# Altium PCB Main.PcbDoc (part 2 of 2)
Units mil, origin at the board's own origin, x right, y up, seen from the top; angles counter-clockwise.
Board outline 2175 x 1925 mil, 2 copper layers (Top Layer, Bottom Layer); 102 components, 68 nets, 356 pads, 164 vias.
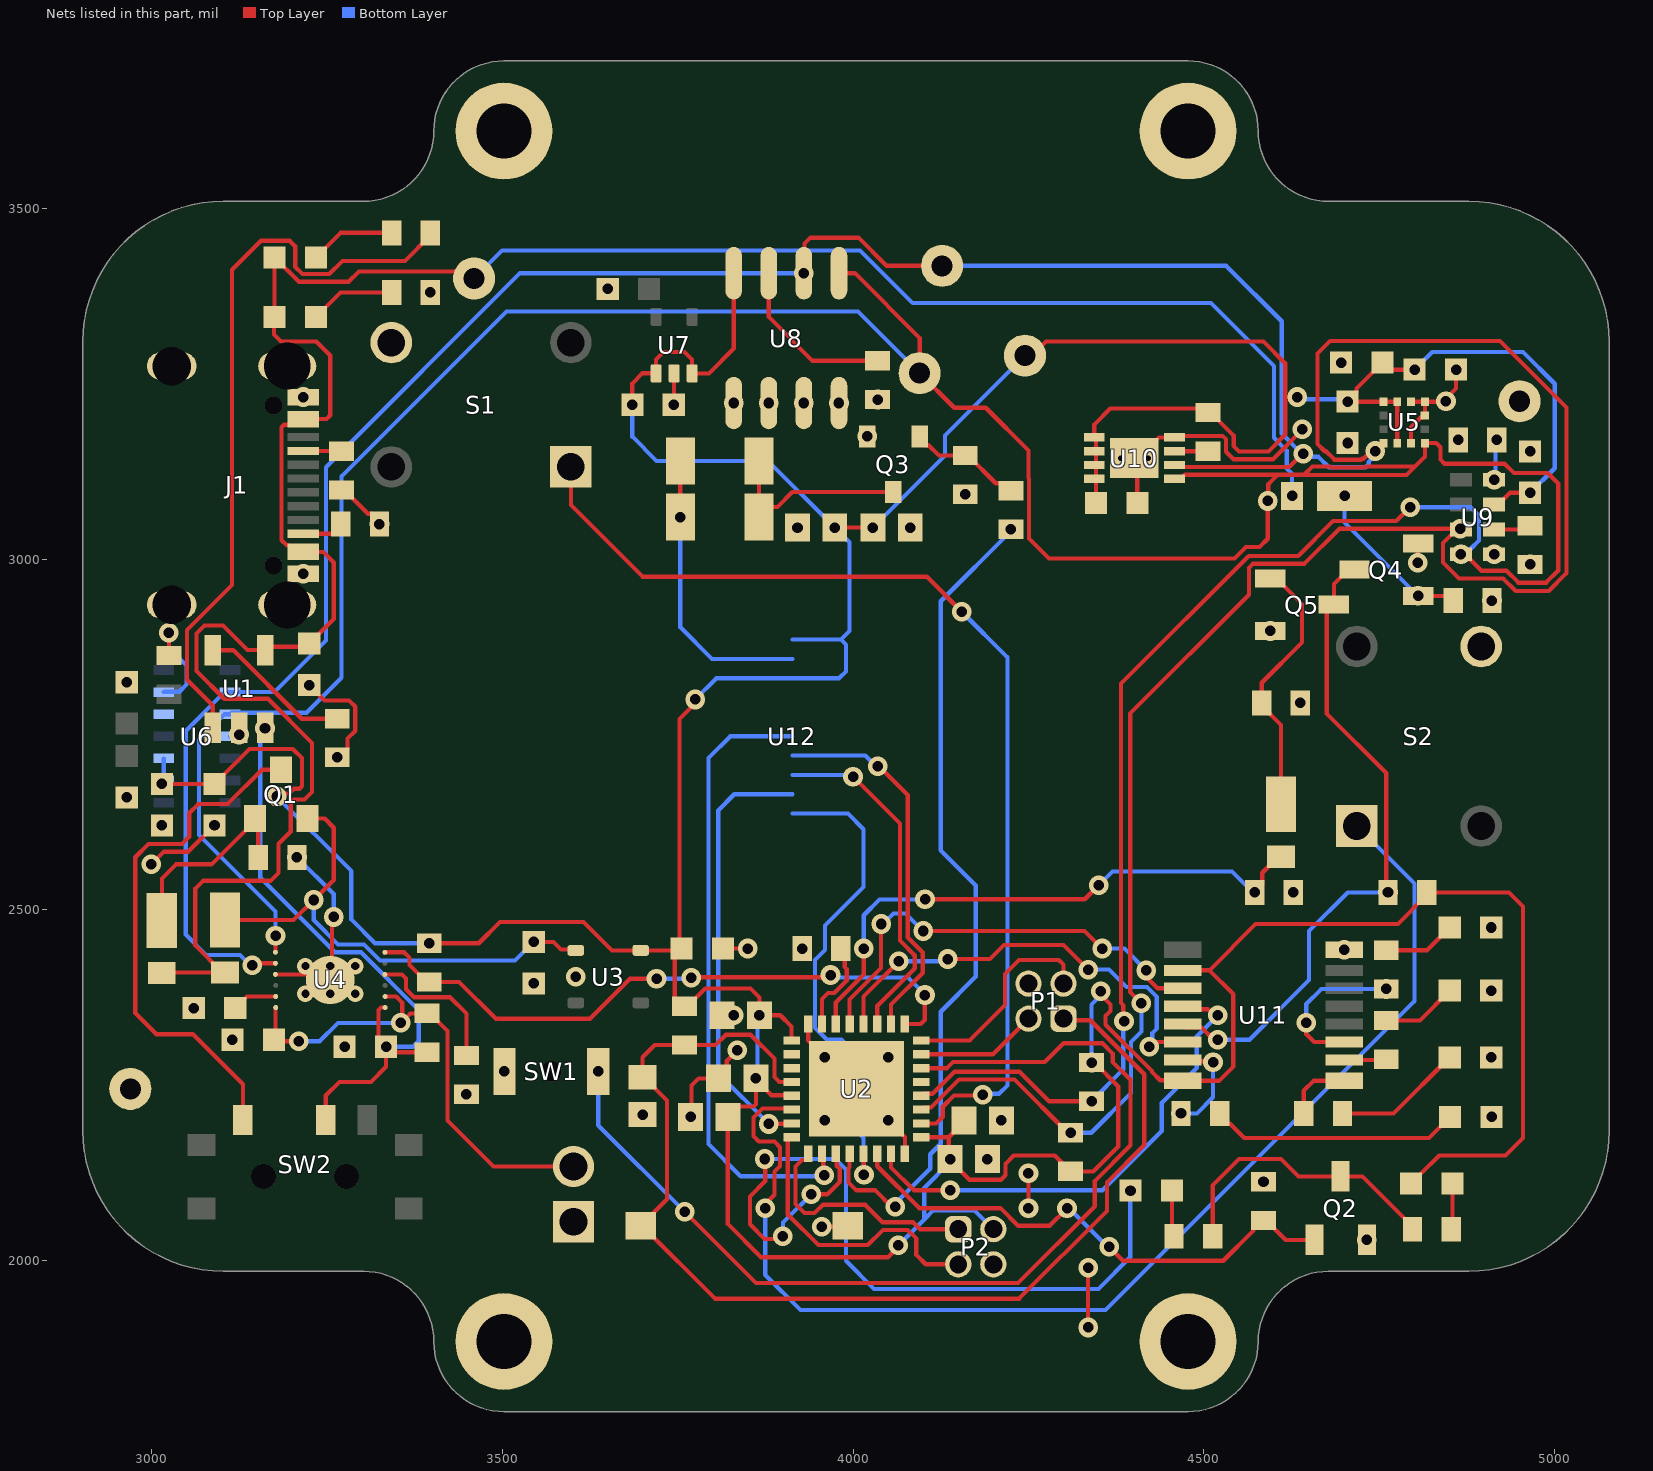
[diagram p2: the nets of this part, all layers, seen from the top]

## Via types
v1: diameter 28, hole 15, Top Layer to Bottom Layer, tented both sides, 156 vias
v2: diameter 23.62, hole 11.81, Top Layer to Bottom Layer, 6 vias
v3: diameter 19.68, hole 7.87, Top Layer to Bottom Layer, 2 vias

## Nets (pads, with @x,y where several pads share a name; then routed paths per layer and width w, separated by ;. In a path a pad name is that pad's centre, name@x,y a point inside that pad or via, vN(x,y) a via of type N, cw(c..) or ccw(c..) an arc to the next point about the centre after c; other vN are vias at no path point) (continued)
3V3: C3.1 C4.1 C5.1 C6.1 C7.1 C11.2 C15.1 C16.1 C17.1 C18.1 C19.1 C20.2 C22.1 C23.1 C24.1 C25.1 D6.2 P2.2 R6.2 R8.2 R9.1 R10.1 R18.2 R30.1 TP6.1 U2.1 U2.5 U2.17 U3.5 U5.2 U5.9 U5.10 U6.9 U6.10 U7.1 U7.3 U8.8 U9.7 U10.5 U10.6 U10.7 U10.8 U11.10 U11.16 U12.10 U12.12 | length 8226.8
  Top Layer w6: v1(3015,2679.53) C18.1@3090,2679.53 3139.97,2729.49 3201.58,2729.49 3214.65,2716.43 3214.65,2676.22 3211.13,2672.71 3203.16,2672.71 3196.36,2665.91 3182.79,2665.91 v1(3178.59,2661.71) ; v1(3396,2452.56) 3466.64,2452.56 3497.08,2483 3615.88,2483 3656.48,2442.4 U3.5@3697.4,2442.4 C11.2@3752.87,2442.4 ; v1(3685.47,3220) 3685.47,3250.47 3700,3265 3719.06,3265 U7.1@3719.41,3264.65 3719.41,3284.41 3730,3295 3760,3295 3770.59,3284.41 U7.3@3770.59,3264.65 3794.65,3264.65 3830,3300 U8.8@3830,3407.52 ; v1(3775,2800) 3775,2794.05 3752.87,2771.92 C11.2@3752.87,2442.4 ; v1(3861.57,2260) C7.1@3861.57,2258.03 ; U2.5@3912.48,2235.16 3911.64,2236 3883.61,2236 C7.1@3861.57,2258.03 ; U2.1@3912.48,2313.9 3912.48,2333.81 3896.29,2350 v1(3866.57,2350) 3866.57,2375.28 3853.85,2388 3789.38,2388 3763.94,2362.56 R6.2@3760,2362.56 3756.78,2362.56 3746,2373.34 3746,2435.53 C11.2@3752.87,2442.4 ; v1(3974.02,3045) v1(4028.43,3045) ; v1(4064.51,2022) 4064.51,2019.51 4050,2005 3869,2005 3821.57,2052.43 C6.1@3821.57,2205 3836.29,2219.73 3858.06,2219.73 3861.57,2223.24 C7.1@3861.57,2258.03 ; U2.17@4097.52,2176.1 4136.5,2176.1 ; C5.1@4138.43,2143.03 4165.98,2115.48 4210.77,2115.48 4217.29,2122 4217.29,2138.17 4229.12,2150 4287.44,2150 R9.1@4310,2127.44 4342.44,2127.44 4378,2163 4378,2248.5 4343.94,2282.56 v1(4340,2282.56) ; v1(4138.43,2145) 4136.5,2146.93 4136.5,2176.1 ; C4.1@4158.43,2200 4158.43,2198.03 4136.5,2176.1 ; TP6.1@4250,3284.82 4275.18,3310 4585,3310 4616,3279 4616,3231 ; C23.1@4346.16,3079 4346.16,3114.47 4346.16,3134.16 4346.16,3153.84 4346.16,3171.28 U10.5@4343.91,3173.53 4343.91,3191.91 4366.56,3214.56 R18.2@4510.94,3214.56 ; v1(4353,2384) 4353,2379.39 4366.96,2365.43 4366.96,2356.04 4360,2349.08 4360,2336.48 4426,2270.48 4426,2269 4437.78,2257.22 4469.12,2257.22 U11.16@4469.84,2256.5 4521.5,2256.5 4542,2277 4542,2379.78 4507.8,2413.98 ; U11.10@4469.84,2413.98 4507.8,2413.98 ; R18.2@4505.74,3208.95 4509.68,3208.95 4542.45,3176.17 4542.45,3161.16 4550.27,3153.34 4591.94,3153.34 4616,3177.4 4616,3231 ; v1(4633,3231) 4616,3231 ; U5.2@4775.65,3165.34 U5.9@4775.65,3224.34 U5.10@4755.97,3224.34 4705.18,3224.34 v1(4705,3224.53) 4717.75,3237.28 4717.75,3243.22 C16.1@4754.53,3280 4764.53,3270 v1(4800.47,3270) ; D6.2@4795.47,2110 4808.22,2122.75 4835.47,2150 4929.74,2150 4955,2175.26 4955,2505 4935,2525 R30.1@4817.56,2525 4817.56,2521.06 4776.5,2480 4573.83,2480 4507.8,2413.98 ; U9.7@4913.62,3077.72 4919.53,3077.72 4936.34,3094.53 v1(4965,3094.53)
  Bottom Layer w6: U6.9@3017.76,2682.28 U6.9@3017.76,2684.51 U6.10@3017.76,2716 ; v1(3178.59,2661.71) 3285,2555.29 3285,2486.37 3318.81,2452.56 v1(3396,2452.56) ; v1(3685.47,3220) 3685.47,3174.53 3720,3140 3879.02,3140 v1(3974.02,3045) 3995,3024.02 3995,2897.53 3982.76,2885.3 ; v1(3775,2800) 3805.18,2830.18 U12.10@3913.62,2830.18 3980.18,2830.18 3990,2840 3990,2878.06 3982.76,2885.3 ; v1(3861.57,2260) 3864.07,2262.5 3864.07,2347.5 v1(3866.57,2350) ; U12.12@3913.62,2885.3 3982.76,2885.3 ; v1(4028.43,3045) 4130.98,3147.56 4130.98,3175.98 TP6.1@4245,3290 TP6.1@4261.12,3306.12 ; v1(4064.51,2022) 4101.47,2058.96 ; v1(4138.43,2145) 4138.43,2140.87 4101.47,2103.91 4101.47,2058.96 ; P2.2@4200,2045 4173.3,2071.7 4114.22,2071.7 4101.47,2058.96 ; v1(4340,2282.56) 4340,2365.05 4353,2378.05 v1(4353,2384) ; v1(4633,3231) 4636.24,3227.76 4701.76,3227.76 v1(4705,3224.53) ; v1(4800.47,3270) 4825.47,3295 4955,3295 5000,3250 5000,3129.53 v1(4965,3094.53)
ALERT: R18.1 U10.3 | length 51.2
  Top Layer w6: U10.3@4458.09,3153.84 R18.1@4501.4,3153.84 ; R18.1@4500.14,3154.01 R18.1@4505.74,3159.61
BIN: R12.2 U4.10 | length 208.1
  Top Layer w6: U4.10@3332.76,2408.19 3357.1,2408.19 3362.82,2402.47 3362.82,2386.98 3374.14,2375.66 3425.51,2375.66 3449,2352.17 R12.2@3449,2292.56
BKL_COL: Q3.3 R26.1 R28.1 | length 286.2
  Top Layer w6: R26.1@3866.1,3140 3866.1,3072.8 R28.1@3866.1,3060 3880.47,3074.37 3892.26,3074.37 3913.36,3095.47 Q3.3@4057.6,3095.47
BKL_GATE: Q3.1 R27.2 R29.2 | length 164.4
  Top Layer w6: Q3.1@4095,3175 4095,3171.06 4103.81,3162.25 4107.75,3162.25 4122.44,3147.56 4163.94,3147.56 4203.36,3108.14 4214.42,3108.14 R29.2@4225,3097.56
BOOT: R11.2 U2.31 | length 130.7
  Top Layer w6: U2.31@3955.79,2337.52 3955.79,2372.85 3964.52,2381.58 3973.34,2381.58 3990.93,2399.17 3990.93,2415.97 3988.2,2418.69 3988.2,2439.36 R11.2@3982.56,2445
EVI: R21.2 U9.8 | length 58.5
  Bottom Layer w6: v1(4913.62,3113.15) 4915.59,3115.12 4915.59,3168.03 v1(4917.56,3170)
GND: C1.1 C2.1 C3.2 C4.2 C5.2 C6.2 C7.2 C8.2 C9.2 C10.1 C11.1 C12.1 C13.2 C14.2 C15.2 C16.2 C17.2 C18.2 C19.2 C20.1 C21.1 C22.2 C23.2 C24.2 C25.2 D7.1 D8.1 D9.1 D10.1 J1.1 J1.2 J1.3 J1.4 J1.A1-B12 J1.B1-A12 J2.1 P1.4 P2.4 pad.7 Q2.2 Q3.2 Q4.2 Q5.2 R1.1 R2.2 R3.2 R5.1 R11.1 R12.1 R13.1 R16.1 R19.1 R20.1 R21.1 R27.1 R31.2 R32.1 R33.1 S1.4 S2.4 S3.1 SW1.1 TP1.1 TP2.1 U1.2 U2.16 U2.32 U2.33 U3.2 U4.3 U4.13 U5.3 U5.6 U5.7 U5.8 U6.4 U6.12 U7.2 U8.1 U8.2 U8.3 U8.4 U9.5 U10.4 U10.9 U11.8 U12.8 U12.13 | length 1755.3
  Top Layer w6: v1(3000,2565) 3018.06,2583.06 3052.59,2583.06 v1(3090,2620.47) ; v1(3125,2750) U1.2@3125,2759.88 ; U4.3@3176.83,2408.19 3177.04,2407.98 3247.33,2407.98 3257.5,2418.15 3257.5,2487.5 v1(3260,2490) ; v1(3225,2820.47) 3246.78,2798.69 3281.68,2798.69 3290.72,2789.65 3290.72,2755.47 3279.72,2744.47 3279.72,2728.22 3268.94,2717.44 v1(3265,2717.44) ; R1.1@3271,3098.44 3274.94,3098.44 3308.66,3064.72 3314.34,3064.72 3325.12,3053.94 v1(3325.12,3050) ; v1(3744.53,3220) 3745,3220.47 U7.2@3745,3264.65 ; v1(3768.43,2205) 3770,2206.57 3770,2250 3780,2260 C7.2@3808.43,2260 ; C7.2@3808.43,2261.97 3820.17,2273.71 3820.17,2285.17 v1(3835,2300) ; C3.2@3813.43,2350 v1(3829.86,2350) ; C11.1@3814.53,2445 v1(3850,2445) ; U2.32@3936.1,2337.52 3936.1,2313.9 v1(3960,2290) ; v1(3955.66,2048.55) 3991.19,2048.55 S3.1@3992.64,2050 ; v1(4050,2200) 4073.9,2176.1 U2.16@4073.9,2152.48 ; v1(4250,2075) v1(4250,2125) ; v1(4335,1905) v1(4335,1990) ; v3(4381.31,3144) U10.9@4401,3144 ; C23.2@4405.21,3079 4405.21,3139.79 U10.9@4401,3144 ; v3(4420.69,3144) U10.9@4406.91,3144 ; v1(4640,3185) 4640,3183.98 4598.36,3142.34 4542.18,3142.34 4531.45,3153.07 4531.45,3156.6 4531.45,3162.25 4531.45,3170.92 4526.77,3175.61 4518.1,3175.61 4512.45,3175.61 4484.71,3175.61 4484.65,3175.55 4460.11,3175.55 U10.4@4458.09,3173.53 4435.96,3173.53 4432.45,3170.01 4432.45,3169.54 U10.9@4406.91,3144 ; U5.3@4795.35,3165.34 4795.35,3188.16 4809.38,3202.19 4812.5,3202.19 U5.6@4815,3204.69 U5.7@4815.03,3224.34 ; U5.8@4795.35,3224.34 U5.7@4815.03,3224.34 4844.35,3224.34 v1(4845,3225) 4845,3228.47 4859.53,3243 v1(4859.53,3270) ; v1(4805,2995) 4805,3022.13 Q4.2@4805.28,3022.4 ; U10.9@4401,3144 U10.9@4406.91,3144
  Bottom Layer w6: U6.4@3112.24,2747.5 3122.5,2747.5 v1(3125,2750) ; v1(3207.56,2575) 3260,2522.56 v1(3260,2490)
  other v1: 4732.4,2029.72 4585,2112.56 4191.57,2145 3960,2200 4211.57,2200 4910,2205 3700,2208.43 3449,2237.44 3503.07,2270 4050,2290 4909.53,2290 3275.47,2305 3115.47,2315 3060.47,2360 4909.53,2385 3545,2395.47 3604.88,2405 4700.16,2443.5 3927.44,2445 4909.53,2475 4627.56,2525 3015,2620.47 2965,2660.47 4637.56,2795 2965,2824.53 4594.72,2897.6 4910.56,2941 3216.34,2979.02 4965,2992.44 4913.62,3006.85 3920.87,3045 4081.57,3045 4160,3092.44 4965,3153.58 4705,3165.47 4862.44,3170 4020.2,3175 3830,3222.48 3880,3222.48 3930,3222.48 3980,3222.48 4035,3227.44 3216.34,3230.98 4695.47,3280 3397.56,3380 3650.47,3385
  other v2: 3219.57,2380.63 3255,2380.63 3290.43,2380.63 3219.57,2420 3255,2420 3290.43,2420
LDO_IN: C10.2 D1.1 Q1.2 U3.1 | length 738
  Top Layer w6: D1.1@3105,2485.59 3202.8,2485.59 v1(3231.4,2514.19) 3260,2542.79 3260,2617.21 3247.06,2630.16 Q1.2@3222.4,2630.16 ; v1(3545,2454.53) 3573.03,2454.53 3584.07,2443.49 3603.8,2443.49 U3.1@3604.88,2442.4
  Bottom Layer w6: v1(3231.4,2514.19) 3231.4,2485.6 3266.19,2450.81 3303.19,2450.81 3326.01,2428 3518.47,2428 v1(3545,2454.53)
LEDK: R26.2 R28.2 U12.11 | length 415.5
  Top Layer w6: v1(3753.9,3060) R26.2@3753.9,3140
  Bottom Layer w6: v1(3753.9,3060) 3753.9,2902.92 3799.08,2857.74 U12.11@3913.62,2857.74
NetD2_1: D2.1 R4.1 | length 122.4
  Top Layer w6: D2.1@3234.53,3430 3269.53,3465 R4.1@3342.44,3465
NetD4_1: D4.1 R13.2 | length 122.4
  Top Layer w6: D4.1@3234.53,3345 3269.53,3380 R13.2@3342.44,3380
NetD5_1: D5.1 R14.2 | length 66.2
  Top Layer w6: D5.1@4454.53,2100 4454.53,2037.91 R14.2@4457.44,2035
NetD6_1: D6.1 R15.2 | length 65.8
  Top Layer w6: R15.2@4852.56,2045 4854.53,2046.97 D6.1@4854.53,2110
NetD7_2: D7.2 R22.1 | length 357.6
  Top Layer w6: R22.1@4522.56,2210 4522.56,2206.06 4533.34,2195.28 4537.28,2195.28 4557.56,2175 4820.94,2175 D7.2@4850.94,2205
NetD8_2: D8.2 R23.1 | length 186.1
  Top Layer w6: R23.1@4697.56,2210 4770.47,2210 D8.2@4850.47,2290
NetD9_2: D9.2 R24.1 | length 108.1
  Top Layer w6: R24.1@4760,2342.56 4808.03,2342.56 D9.2@4850.47,2385
NetD10_2: D10.2 R25.1 | length 103.9
  Top Layer w6: R25.1@4760,2442.56 4818.03,2442.56 D10.2@4850.47,2475
NetD11_1: D11.1 Q4.1 R32.2 | length 238.7
  Top Layer w6: v1(4805.28,2947.6) 4848.84,2947.6 R32.2@4855.44,2941
  Bottom Layer w6: v1(4700.59,3090) 4700.59,3052.28 v1(4805.28,2947.6)
NetD12_1: D12.1 Q5.1 R33.2 | length 381
  Top Layer w6: Q5.1@4594.72,2972.4 4603.58,2972.4 4640,2935.98 4640,2881.39 4582.44,2823.83 4582.44,2791.06 4610,2763.5 D12.1@4610,2650.59
NetJ1_A5: J1.A5 R1.2 | length 54.9
  Top Layer w6: J1.A5@3216.34,3154.21 3270.35,3154.21 R1.2@3271,3153.56
NetJ1_B5: J1.B5 R5.2 | length 61.2
  Top Layer w6: J1.B5@3216.34,3036.1 3259.22,3036.1 3270,3046.88 R5.2@3270,3050
NetQ1_3: Q1.3 SW2.L1 | length 747.8
  Top Layer w6: SW2.L1@3130.47,2200.71 3130.47,2251.53 3059,2323 3007,2323 2977,2353 2977,2575.17 2995.89,2594.06 3043.63,2594.06 3054,2604.43 3054,2638 3067,2651 3108.77,2651 3157.62,2699.84 Q1.3@3185,2699.84
NetQ2_3: Q2.3 R14.1 R15.1 | length 416.7
  Top Layer w6: R14.1@4512.56,2035 4512.56,2107.56 4550,2145 4610,2145 4634.72,2120.28 Q2.3@4695,2120.28 4726.1,2120.28 4797.44,2048.94 R15.1@4797.44,2045
NetR17_1: R17.1 U6.13 | length 153.4
  Top Layer w6: R17.1@3025,2862.56 v1(3025,2895)
  Bottom Layer w6: U6.13@3017.76,2810.49 3018.26,2811 3039.78,2811 3050.15,2821.37 3050.15,2848.49 3025,2873.65 v1(3025,2895)
NetR19_2: R19.2 U8.7 | length 243.4
  Top Layer w6: U8.7@3880,3407.52 3880,3345 3942.44,3282.56 R19.2@4035,3282.56
NetR22_2: R22.2 U11.15 | length 149.5
  Top Layer w6: U11.15@4469.84,2286.02 4471.49,2284.38 4511.44,2284.38 v1(4513.09,2282.73)
  Bottom Layer w6: v1(4467.44,2210) 4490.08,2210 4513.09,2233.01 v1(4513.09,2282.73)
NetR23_2: R23.2 U11.1 | length 96
  Top Layer w6: R23.2@4642.44,2210 4642.44,2242.44 4656.5,2256.5 U11.1@4700.16,2256.5
NetR24_2: R24.2 U11.2 | length 60.4
  Top Layer w6: U11.2@4700.16,2286.02 4758.58,2286.02 R24.2@4760,2287.44
NetR25_2: R25.2 U11.3 | length 224.8
  Top Layer w6: v1(4646,2339) 4646,2323 4657.39,2311.61 U11.3@4700.16,2311.61
  Bottom Layer w6: v1(4646,2339) 4646,2366 4667.44,2387.44 v1(4760,2387.44)
OE: Q4.3 Q5.3 R30.2 U11.13 | length 947.9
  Top Layer w6: U11.13@4469.84,2337.2 4474.72,2332.33 4496.72,2332.33 4514.05,2315 v1(4520,2315) ; Q4.3@4714.72,2985 4705.87,2985 4685.28,2964.41 Q5.3@4685.28,2935 4684.8,2935 4675,2925.2 4675,2780 4760,2695 4760,2527.44 v1(4762.44,2525)
  Bottom Layer w6: v1(4520,2315) 4565,2315 4650,2400 4650,2470 4705,2525 v1(4762.44,2525)
OSC_IN: U2.2
OSC_OUT: U2.3
PA0//BUILTIN: D5.2 U2.11 | length 1109.2
  Top Layer w6: v1(3874.06,2145.07) 3875,2144.12 3875,2113.47 3853,2091.47 3853,2052 3874,2031 3896,2031 v1(3900,2035) ; v1(3940.4,2094.73) 3940.55,2094.88 3963.4,2094.88 3981.24,2112.72 3981.24,2130.95 3976.81,2135.38 3976.81,2151.14 U2.11@3975.47,2152.48
  Bottom Layer w6: v1(3874.06,2145.07) 3874.12,2145 3975,2145 3990,2130 3990,2000 4030,1960 4350,1960 4395,2005 v1@4395,2095 ; v1(3900,2035) 3900.16,2035.16 3900.16,2054.49 v1(3940.4,2094.73)
  other v1: 4395.47,2100
PA1//SCK: U2.7 U12.4 | length 624.8
  Top Layer w6: v1(3880,2195) 3880.39,2195.39 3912.09,2195.39 U2.7@3912.48,2195.79
  Bottom Layer w6: v1(3880,2195) 3807.86,2267.14 3807.86,2641.86 3830.82,2664.82 U12.4@3913.62,2664.82
PA2//TX: P2.3 U2.8 | length 417.8
  Top Layer w6: U2.8@3912.48,2176.1 3909.96,2176.1 3907.06,2173.2 3907.06,2138.99 3907,2138.93 3907,2066.1 3950.78,2022.31 4021.06,2022.31 4042.75,2044 4077.9,2044 4090.24,2031.66 4090.24,2008.34 4103.57,1995 P2.3@4150,1995
PA3//RX: P2.1 U2.9 | length 339.4
  Top Layer w6: U2.9@3936.1,2152.48 3936.1,2146.57 3933.2,2143.67 3927.29,2143.67 3918,2134.38 3918,2080.8 3930.87,2067.93 3945.23,2067.93 3957.19,2079.88 4017.3,2079.88 4042.19,2055 4085.49,2055 4095.49,2045 P2.1@4150,2045
PA4//NSS: U2.10 U12.7 | length 899.3
  Top Layer w6: U2.10@3955.79,2152.48 3957.51,2150.75 3957.51,2123.56 v1(3959.24,2121.84)
  Bottom Layer w6: U12.7@3913.62,2747.5 3825.13,2747.5 3794,2716.37 3794,2166.46 3839.9,2120.56 3957.96,2120.56 v1(3959.24,2121.84)
PA5//WAKE: S2.1 U2.6 | length 1733.6
  Top Layer w6: v1(3875,2075) 3875,2080.95 3888.1,2094.06 3888.1,2126.99 3896,2134.89 3896,2143.49 3896.06,2143.55 3896.06,2161.85 3887.91,2170 3865.63,2170 3858,2177.63 3858,2204.11 3870.89,2217 3910.95,2217 U2.6@3912.48,2215.47
  Bottom Layer w6: v1(3875,2075) 3875,1980 3925,1930 4360,1930 4800,2370 4800,2537.59 S2.1@4718.01,2619.57
PA6//MISO//BLK: R29.1 U2.12 | length 1195.2
  Top Layer w6: U2.12@3995.16,2152.48 3995.16,2133.39 3993.56,2131.79 3993.56,2111.61 4004.49,2100.68 4031.39,2100.68 4055.07,2077 v1(4060.23,2077)
  Bottom Layer w6: v1(4060.23,2077) 4060.23,2081.5 4110,2131.28 4110,2151.88 4125,2166.88 4125,2355 4175,2405 4175,2535 4125,2585 4125,2940 v1@4225,3040
  other v1: 4225,3042.44
PA7//MOSI: U2.13 U12.3 | length 702.7
  Top Layer w6: U2.13@4014.84,2152.48 4015.2,2152.12 4015.2,2123.03 v1(4015.56,2122.68)
  Bottom Layer w6: U12.3@3913.62,2637.26 3992.74,2637.26 4015,2615 4015,2532.74 3960.2,2477.94 3960.2,2443.18 3945.93,2428.91 3945.93,2332 3962.93,2315 3983.77,2315 3995,2303.77 3995,2195 4015,2175 4015,2123.23 v1(4015.56,2122.68)
PA8//SET: S1.1 U2.18 | length 1529.6
  Top Layer w6: S1.1@3597.95,3131.42 3597.95,3077.05 3700,2975 4105,2975 v1(4155,2925) ; U2.18@4097.52,2195.79 4118.33,2195.79 4127.86,2205.32 4127.86,2219.52 4144.06,2235.71 4184.22,2235.71 v1(4185,2236.49)
  Bottom Layer w6: v1(4155,2925) 4220,2860 4220,2250 4208,2238 4186.51,2238 v1(4185,2236.49)
PA11//DEBUG: U2.21
PA12//IND_ENA: SW1.2 U2.22 | length 1465.5
  Top Layer w6: v1(3760,2070) 3861.7,1968.3 4235.09,1968.3 4344.61,2077.82 4344.61,2113.77 4395.5,2164.65 4395.5,2257.98 4370.05,2283.42 4370.05,2295.32 4355.37,2310 4300,2310 4273.21,2283.21 4142.51,2283.21 4133.82,2274.53 U2.22@4097.52,2274.53
  Bottom Layer w6: v1(3636.93,2270) 3636.93,2193.07 v1(3760,2070)
PA15//JTDI//GPOUT: R8.1 U2.25 U4.12 | length 921.7
  Top Layer w6: U4.12@3332.76,2439.69 3360.31,2439.69 3368,2432 3368,2421.5 3392.06,2397.44 R8.1@3396,2397.44 3438.56,2397.44 3491,2345 3625,2345 3682,2402 v1(3720,2402) ; v1(3769.5,2403.5) 3770.19,2404.19 3964.84,2404.19 v1(3967.93,2407.28) ; U2.25@4073.9,2337.52 4096.49,2337.52 4102.21,2343.25 4102.21,2378.39 v1(4102.56,2378.74)
  Bottom Layer w6: v1(3720,2402) 3768,2402 v1@3771,2405 ; v1(3967.93,2407.28) 3971.63,2403.58 4078.58,2403.58 4102.56,2379.59 v1(4102.56,2378.74)
PACK+: C8.1 J2.2 R7.2 U4.6 U4.8 | length 709.3
  Top Layer w6: C8.1@3174.53,2315 3177.04,2315 3177.04,2360.74 U4.6@3177.24,2360.94 ; C8.1@3177.04,2313 v1(3210,2313) ; U4.8@3333.17,2376.69 3348.99,2376.69 3357.49,2368.2 3357.49,2341.49 3355.55,2339.55 v1(3355.55,2339) ; v1@3357.76,2341.21 3369.11,2352.56 R7.2@3393,2352.56 3396.94,2352.56 3422,2327.5 3422,2200 3487.63,2134.37 J2.2@3601.65,2134.37
  Bottom Layer w6: v1(3210,2313) 3239.98,2313 3265.98,2339 v1(3355.55,2339)
PB0//IND_CTRL: Q2.1 R16.2 U2.14 | length 754.8
  Top Layer w6: U2.14@4034.53,2152.48 4034.53,2134.82 4094.34,2075 4210,2075 4235,2050 4280.24,2050 v1@4305,2074.76 ; v1(4365,2020) 4385,2000 4527.56,2000 4570.28,2042.72 4570.28,2046.66 4581.06,2057.44 4588.94,2057.44 4616.65,2029.72 Q2.1@4657.6,2029.72
  Bottom Layer w6: v1(4305,2075) 4307.5,2075 4362.5,2020 v1(4365,2020)
PB1//STOR_CLK: U2.15 U11.12 | length 707.2
  Top Layer w6: U2.15@4054.21,2152.48 4054.21,2133.13 4086.73,2100.61 v1(4138.78,2100.61) ; U11.12@4469.84,2362.8 4474.01,2358.63 4505.42,2358.63 4514.05,2350 v1(4520,2350)
  Bottom Layer w6: v1(4138.78,2100.61) 4355.61,2100.61 4440,2185 4440,2225.13 4489.97,2275.1 4489.97,2319.97 v1(4520,2350)
PB3//JTDO//RES: U2.26 U12.6 | length 541.4
  Top Layer w6: v1(4035,2705) 4036.66,2705 4078,2663.66 4078,2460.89 4099.35,2439.54 4099.35,2410.41 4054.21,2365.28 U2.26@4054.21,2337.52
  Bottom Layer w6: U12.6@3913.62,2719.94 4017.41,2719.94 4032.36,2705 v1(4035,2705)
PB4//NJTRST//DC: U2.27 U12.5 | length 498.5
  Top Layer w6: v1(4000,2690) 4067,2623 4067,2456.33 4088.01,2435.32 4088.01,2416.78 4034.67,2363.45 4034.67,2337.66 U2.27@4034.53,2337.52
  Bottom Layer w6: U12.5@3913.62,2692.38 3997.62,2692.38 v1(4000,2690)
PB5//DIN: U2.28 U11.14 | length 643.5
  Top Layer w6: U2.28@4014.84,2337.52 4014.84,2376.41 v1(4065.32,2426.89) ; v1(4135,2430) 4195,2430 4215,2450 4300,2450 v1(4335,2415) ; v1(4422.39,2305.2) 4428.35,2305.2 4434.76,2311.61 U11.14@4469.84,2311.61
  Bottom Layer w6: v1(4065.32,2426.89) 4131.89,2426.89 v1(4135,2430) ; v1(4335,2415) 4365,2415 4390,2390 4419.11,2390 4433,2376.11 4433,2331.2 4426.6,2324.8 4426.6,2309.41 v1(4422.39,2305.2)
PB6//CLK: U2.29 U11.11 | length 646.7
  Top Layer w6: U2.29@3995.16,2337.52 3995.16,2372.28 4040,2417.13 v1(4040,2480) ; v1(4100,2470) 4330,2470 v1(4355,2445) ; v1(4417.93,2413.78) 4422.14,2409.57 4422.14,2400.23 4433.99,2388.39 U11.11@4469.84,2388.39
  Bottom Layer w6: v1(4040,2480) 4042.53,2480 4057.53,2495 4075,2495 v1(4100,2470) ; v1(4355,2445) 4386.71,2445 v1(4417.93,2413.78)
PB7//OE_CTRL: D12.2 R31.1 U2.30 | length 833.1
  Top Layer w6: U2.30@3975.47,2337.52 3975.47,2368.15 4015.34,2408.02 v1(4015.34,2445) ; v1(4102.64,2515.25) 4330.25,2515.25 v1(4350,2535) ; v1(4572.44,2525) 4583.22,2535.78 4583.22,2552.94 4606.06,2575.79 D12.2@4610,2575.79
  Bottom Layer w6: v1(4015.34,2445) 4015.34,2492.48 4037.86,2515 4102.39,2515 v1(4102.64,2515.25) ; v1(4350,2535) 4370,2555 4540,2555 v1@4570,2525
PROG: R2.1 U1.5 | length 217.8
  Top Layer w6: U1.5@3087.6,2870.12 3116.88,2870.12 3214.44,2772.56 R2.1@3265,2772.56
RST: C12.2 P1.1 R6.1 S3.2 U2.4 | length 1663.5
  Top Layer w6: S3.2@3697.36,2050 S3.2@3699.33,2050 ; U2.4@3912.48,2254.84 3894.96,2254.84 3888,2261.8 3888,2288.29 3854.29,2322 3818.66,2322 3804.1,2307.44 3763.94,2307.44 R6.1@3760,2307.44 3717.44,2307.44 3700,2290 C12.2@3700,2261.57 3701.97,2261.57 3735,2228.54 3735,2087.64 3716.02,2068.65 3716.02,2066.69 S3.2@3699.33,2050 ; P1.1@4300,2345 4302.19,2342.81 4338.11,2342.81 4415,2265.93 4415,2165 4361.83,2111.83 4361.83,2071.04 4236.79,1946 3803.33,1946 S3.2@3699.33,2050
SCL: R9.2 TP5.1 U2.19 U4.2 U5.1 U6.2 U8.6 U9.3 U10.2 | length 5696.5
  Top Layer w6: v1(3143.69,2420.95) 3146.67,2423.94 U4.2@3176.83,2423.94 ; v1(3930,3407.52) 3930.89,3408.41 3930.89,3449.65 3939.35,3458.12 4007.88,3458.12 4048,3418 TP5.1@4127,3418 ; U2.19@4097.52,2215.47 4100.43,2218.38 4111.16,2218.38 4151.28,2258.49 4230.13,2258.49 4306.06,2182.56 v1(4310,2182.56) ; v1(4411,2367) 4395,2383 4395,2780 4564.14,2949.14 4564.14,2987.57 4570.05,2993.49 4643.49,2993.49 4693.2,3043.2 U9.3@4861.39,3043.2 ; U10.2@4458.09,3134.16 4460.9,3131.34 4621.79,3131.34 4640.44,3150 v1(4641.73,3150) ; v1@4744.4,3153.28 4755.97,3164.84 U5.1@4755.97,3165.34 ; v1(4744.4,3154) 4738.45,3154 4727.45,3143 4725.34,3143 4724.06,3141.72 4685.94,3141.72 4674.02,3153.64 4672.36,3153.64 4662,3164 4662,3293 4680,3311 4922,3311 5017,3216 5017,2980 4991.55,2954.55 4944.52,2954.55 4926.59,2972.48 4863.84,2972.48 4841,2995.32 4841,3022.81 U9.3@4861.39,3043.2 ; v1(4865.46,3043.2) U9.3@4861.39,3043.2
  Bottom Layer w6: v1(3143.69,2420.95) 3141.26,2420.95 3126.21,2436 3078,2436 3049,2465 3049,2755.12 3104.37,2810.49 U6.2@3112.24,2810.49 3175.49,2810.49 3249,2884 3249,3131 3525.52,3407.52 v1(3930,3407.52) ; TP5.1@4127,3418 4532,3418 4611,3339 4611,3179 4640,3150 v1(4641.73,3150) ; v1(4310,2182.56) 4339.56,2182.56 4396,2239 4396,2311.72 4411,2326.72 v1(4411,2367) ; v1@4641.73,3149.51 4645.46,3145.79 4663.21,3145.79 4678,3131 4730.64,3131 4734.88,3135.24 4734.88,3138.52 4744.4,3148.05 v1(4744.4,3154)
SDA: R10.2 TP4.1 U2.20 U4.1 U5.4 U6.3 U8.5 U9.4 U10.1 | length 5502.8
  Top Layer w6: U4.1@3176.83,2439.69 3176.83,2462.83 v1(3177,2463) ; U8.5@3980,3407.52 4002.62,3407.52 4095,3315.14 TP4.1@4095,3265 4144.21,3215.79 4189.21,3215.79 4250,3155 4250,3115.37 4250.72,3114.65 4250.72,3029.44 4279.16,3001 4543.71,3001 4559.81,3017.1 4579.1,3017.1 4591.04,3029.04 v1(4591.04,3082.85) 4591.85,3083.65 4591.85,3105.98 4591.85,3106.58 4597.24,3111.97 4604.24,3118.98 ; U2.20@4097.52,2235.16 4100.42,2238.06 4113.06,2238.06 4144.49,2269.49 4237.15,2269.49 4279.2,2227.44 v1(4340,2227.44) ; v1(4386.3,2341.3) 4385,2342.59 4385,2364.3 4382,2367.3 4382,2822.56 4563.99,3004.54 4634.54,3004.54 4684.2,3054.2 4774.2,3054.2 v1(4794,3074) ; U10.1@4458.09,3114.47 4466.94,3114.47 4472.72,3120.25 4643.1,3120.25 4654.65,3131.81 4680.3,3131.81 4681.38,3130.72 4728.62,3130.72 4729.89,3132 4801,3132 ; 4604.24,3119.81 4788.81,3119.81 4801,3132 ; v1(4866.38,3006.85) 4872.28,3006.85 4895.65,2983.48 4931.15,2983.48 4948.2,2966.43 4987.87,2966.43 5005,2983.56 5005,3107.85 4990.16,3122.69 4941.84,3122.69 4928.53,3136 4843.15,3136 4837.15,3142 4837.15,3159.35 4831.16,3165.34 U5.4@4815.03,3165.34 4815.03,3146.03 4801,3132
  Bottom Layer w6: v1(3177,2463) 3177,2498 3068,2607 3068,2742.63 3104.37,2779 U6.3@3112.24,2779 3114.25,2781 3221,2781 3271,2831 3271,3118 3506,3353 4007,3353 TP4.1@4095,3265 ; v1(4340,2227.44) 4385,2272.44 4385,2340 v1(4386.3,2341.3) ; v1(4794,3074) 4880,3074 4892,3062 4892,3026.5 4879.63,3014.13 ; v1(4866.38,3006.85) 4872.33,3006.85 4879.61,3014.13
STAT: R4.2 U1.1 | length 1057.4
  Top Layer w6: U1.1@3087.6,2759.88 3087.6,2791.18 3050.77,2828.01 3050.77,2898.77 3115,2963 3115,3412.34 3156.41,3453.75 3197.17,3453.75 3205,3445.91 3205,3416.72 3215.47,3406.25 3253.59,3406.25 3272.34,3425 3361.5,3425 3397.56,3461.06 R4.2@3397.56,3465
SWCLK: P1.3 U2.24 | length 306
  Top Layer w6: U2.24@4097.52,2313.9 4166.23,2313.9 4216.7,2364.36 4216.7,2408.81 4236.74,2428.86 4293.14,2428.86 4300,2422 P1.3@4300,2395
SWDIO: P1.2 U2.23 | length 173.5
  Top Layer w6: U2.23@4097.52,2294.21 4199.21,2294.21 P1.2@4250,2345
TP0: U12.1
TP1: U12.2
USB_VCC: C1.2 D1.2 D2.2 D3.2 D4.2 D11.2 J1.A4-B9 J1.B4-A9 TP3.1 U1.4 | length 3484.3
  Top Layer w6: D3.2@3015,2410 3015.79,2410.79 D1.2@3101.06,2410.79 ; D1.2@3105,2410.79 D1.2@3101.06,2410.79 ; TP3.1@3460,3400 3450,3410 3295.76,3410 3281.01,3395.25 3210.22,3395.25 D2.2@3175.47,3430 D4.2@3175.47,3345 3175,3344.53 3175,3320 3185,3310 3235,3310 3255,3290 3255,3205 3249.49,3199.49 J1.A4-B9@3216.34,3199.49 3208.28,3191.43 3189.22,3191.43 3185.7,3187.92 3185.7,3026.88 3192.58,3020 3193.19,3020 3193.86,3019.32 3196.7,3019.32 3205.51,3010.51 J1.B4-A9@3216.34,3010.51 3216.85,3010 3245.25,3010 3260,2995.25 3260,2914.53 3220.53,2875.05 3167.34,2875.05 U1.4@3162.4,2870.12 3162.07,2870.45 3137.14,2870.45 3102.26,2905.32 3075.84,2905.32 3064.38,2893.86 3064.38,2840.61 3103.99,2801 3166.06,2801 3229,2738.06 3229,2668 3218.29,2657.29 3203.3,2657.29 3198.61,2652.61 3198.61,2611.61 3181.36,2594.36 3181.36,2552.94 3169.92,2541.49 3073.54,2541.49 3062.67,2530.63 3062.67,2449.18 D1.2@3101.06,2410.79
  Bottom Layer w6: TP3.1@3460,3400 3500,3440 4010,3440 4085,3365 4510,3365 4600,3275 4600,3173 4618,3155 4618,3129.37 4625.79,3121.58 v1(4625.79,3090)
VBACKUP: R20.2 U9.6 | length 53.6
  Top Layer w6: U9.6@4913.62,3042.28 4959.72,3042.28 R20.2@4965,3047.56
VDD: C9.1 U4.5 | length 64.6
  Top Layer w6: C9.1@3119.53,2360 3136.22,2376.69 U4.5@3177.24,2376.69
VSYS: C2.2 R7.1 SW2.COM U1.3 U4.7 | length 903.2
  Top Layer w6: SW2.COM@3248.58,2200.71 3248.58,2235.58 3268,2255 3313,2255 3334.53,2276.53 v1(3334.53,2305) ; U4.7@3333.17,2360.94 3327.41,2360.94 3323.9,2357.43 3323.9,2315.63 v1(3334.53,2305) ; R7.1@3385,2292.76 3380.44,2297.32 3342.21,2297.32 v1(3334.53,2305)
  Bottom Layer w6: v1(3162,2759) 3162,2753.05 3155.13,2746.18 3155.13,2546.32 3261.63,2439.81 3298.64,2439.81 3381,2357.45 3381,2313 3373,2305 v1(3334.53,2305)
VSYS_GATE: D3.1 Q1.1 R3.1 | length 287.2
  Top Layer w6: D3.1@3015,2484.8 3015,2545 3035,2565 3085.79,2565 3147.6,2626.81 Q1.1@3147.6,2630.16 3152.44,2625.32 R3.1@3152.44,2575
pads on no net: J1. J1.A6 J1.A7 J1.A8 J1.B6 J1.B7 J1.B8 S1.2 S1.3 S2.2 S2.3 SW1. SW2.L2 SW2.M1 SW2.M2 SW2.M3 SW2.M4 SW2.M5 SW2.M6 U3.3 U3.4 U4.4 U4.9 U4.11 U5.5 U5.11 U5.12 U6.1 U6.5 U6.6 U6.7 U6.8 U6.14 U7.4 U9.1 U9.2 U11.4 U11.5 U11.6 U11.7 U11.9 U12.9

## Polygon pours and split planes (outlines as drawn)
GND on Bottom Layer "GND_L02_P000" (solid, pour order 0): 2874.45,3730 5105,3730 5105,1765 2874.45,1765

## Other copper
Bottom Layer:
  pour cut-out: 4304,3263 4553,3263 4585,3231 4585,3133 4564,3112 4564,3067 4529,3032 4298,3032 4269,3061 4269,3228

## Silkscreen, mask and mechanical layers (free items; w line width, h text height)
Top Overlay:
  text "Smartwatch Mk3" at 3623.45,3477.51 h55
  text "CHRGING" at 2986.55,3417.5 h25
  text "Designed  By:" at 4191,3416.67 h25
  text "SCL" at 4024.35,3385.5 h25
  text "USB+" at 3501,3367.5 h25
  text "Nicholas Niles" at 4194,3350.01 h50
  text "7/5/26" at 4876,3347.5 h25
  text "5V0" at 3082.35,3332.5 h25
  text ",3V3" at 4366,3285.67 h25
  text "SDA" at 4136,3232.5 h25
  text "GND" at 4991,3192.5 h25
  text "SET" at 3441.68,3059.01 h25
  text "WAKE" at 4946,2735.03 h25
  text "BAT %" at 4934.6,2520.42 h25
  text "74HC595" at 4551.69,2466 h25
  text "100%" at 4966,2460.42 h25
  text "GND" at 4122.35,2382.5 h25
  text "CLK" at 4361,2382.5 h25
  text "75%" at 4966,2370.42 h25
  text "L432KC" at 3934.19,2361 h25
  text "DIO" at 4126.52,2332.5 h25
  text "RST" at 4361,2332.5 h25
  text "50%" at 4966,2280.42 h25
  text "BAT_ENA" at 3136.69,2240.17 h25
  text "GND" at 3011,2212.5 h25
  text "25%" at 4966,2190.42 h25
  text "DEBUG" at 3511.69,2179.01 h25
  text "BUILTIN" at 4345.86,2151 h25
  text "RESET" at 3756.69,2136 h25
  text "BAT+" at 3462.36,2122.5 h25
  text "3V3" at 4911,2097.5 h25
  text "BAT-" at 3462.36,2042.5 h25
  text "RX" at 4047.35,2032.5 h25
  text "3V3" at 4261,2032.5 h25
  text "ON" at 3049.17,2022.5 h25
  text "OFF" at 3336.68,2022.5 h25
  text "TX" at 4047.35,1982.5 h25
  text "GND" at 4261,1982.5 h25
Bottom Overlay:
  lines w10: 4030,2117.53 4030,3377.53 5010,3377.53 5010,2117.53 4030,2117.53
  text "150mAh LiPo" at 4829.9,2717.53 h60
Mechanical 1:
  the board outline again, w10

## Text inside footprints (layer, text, board x,y; h text height)
U5: Top 3D Body "*" at 4771.12,3158.84 h50 r90
U12: Bottom Overlay "DISP IN" at 3999.94,2460.01 h60